# Altium PCB VOU_SOM_CV_V0.0.1.PcbDoc (part 3 of 5)
Units mm, origin at the board's own origin, x right, y up, seen from the top; angles counter-clockwise.
Board outline 75 x 105 mm, 9 copper layers (Top Layer, PWR1, INT1, INT2, INT3, INT4, INT5, PWR2, Bottom Layer), stack 1.317 mm thick; 497 components, 649 nets, 3023 pads, 1317 vias.
Unrouted connection lines stored in the file: 2057.
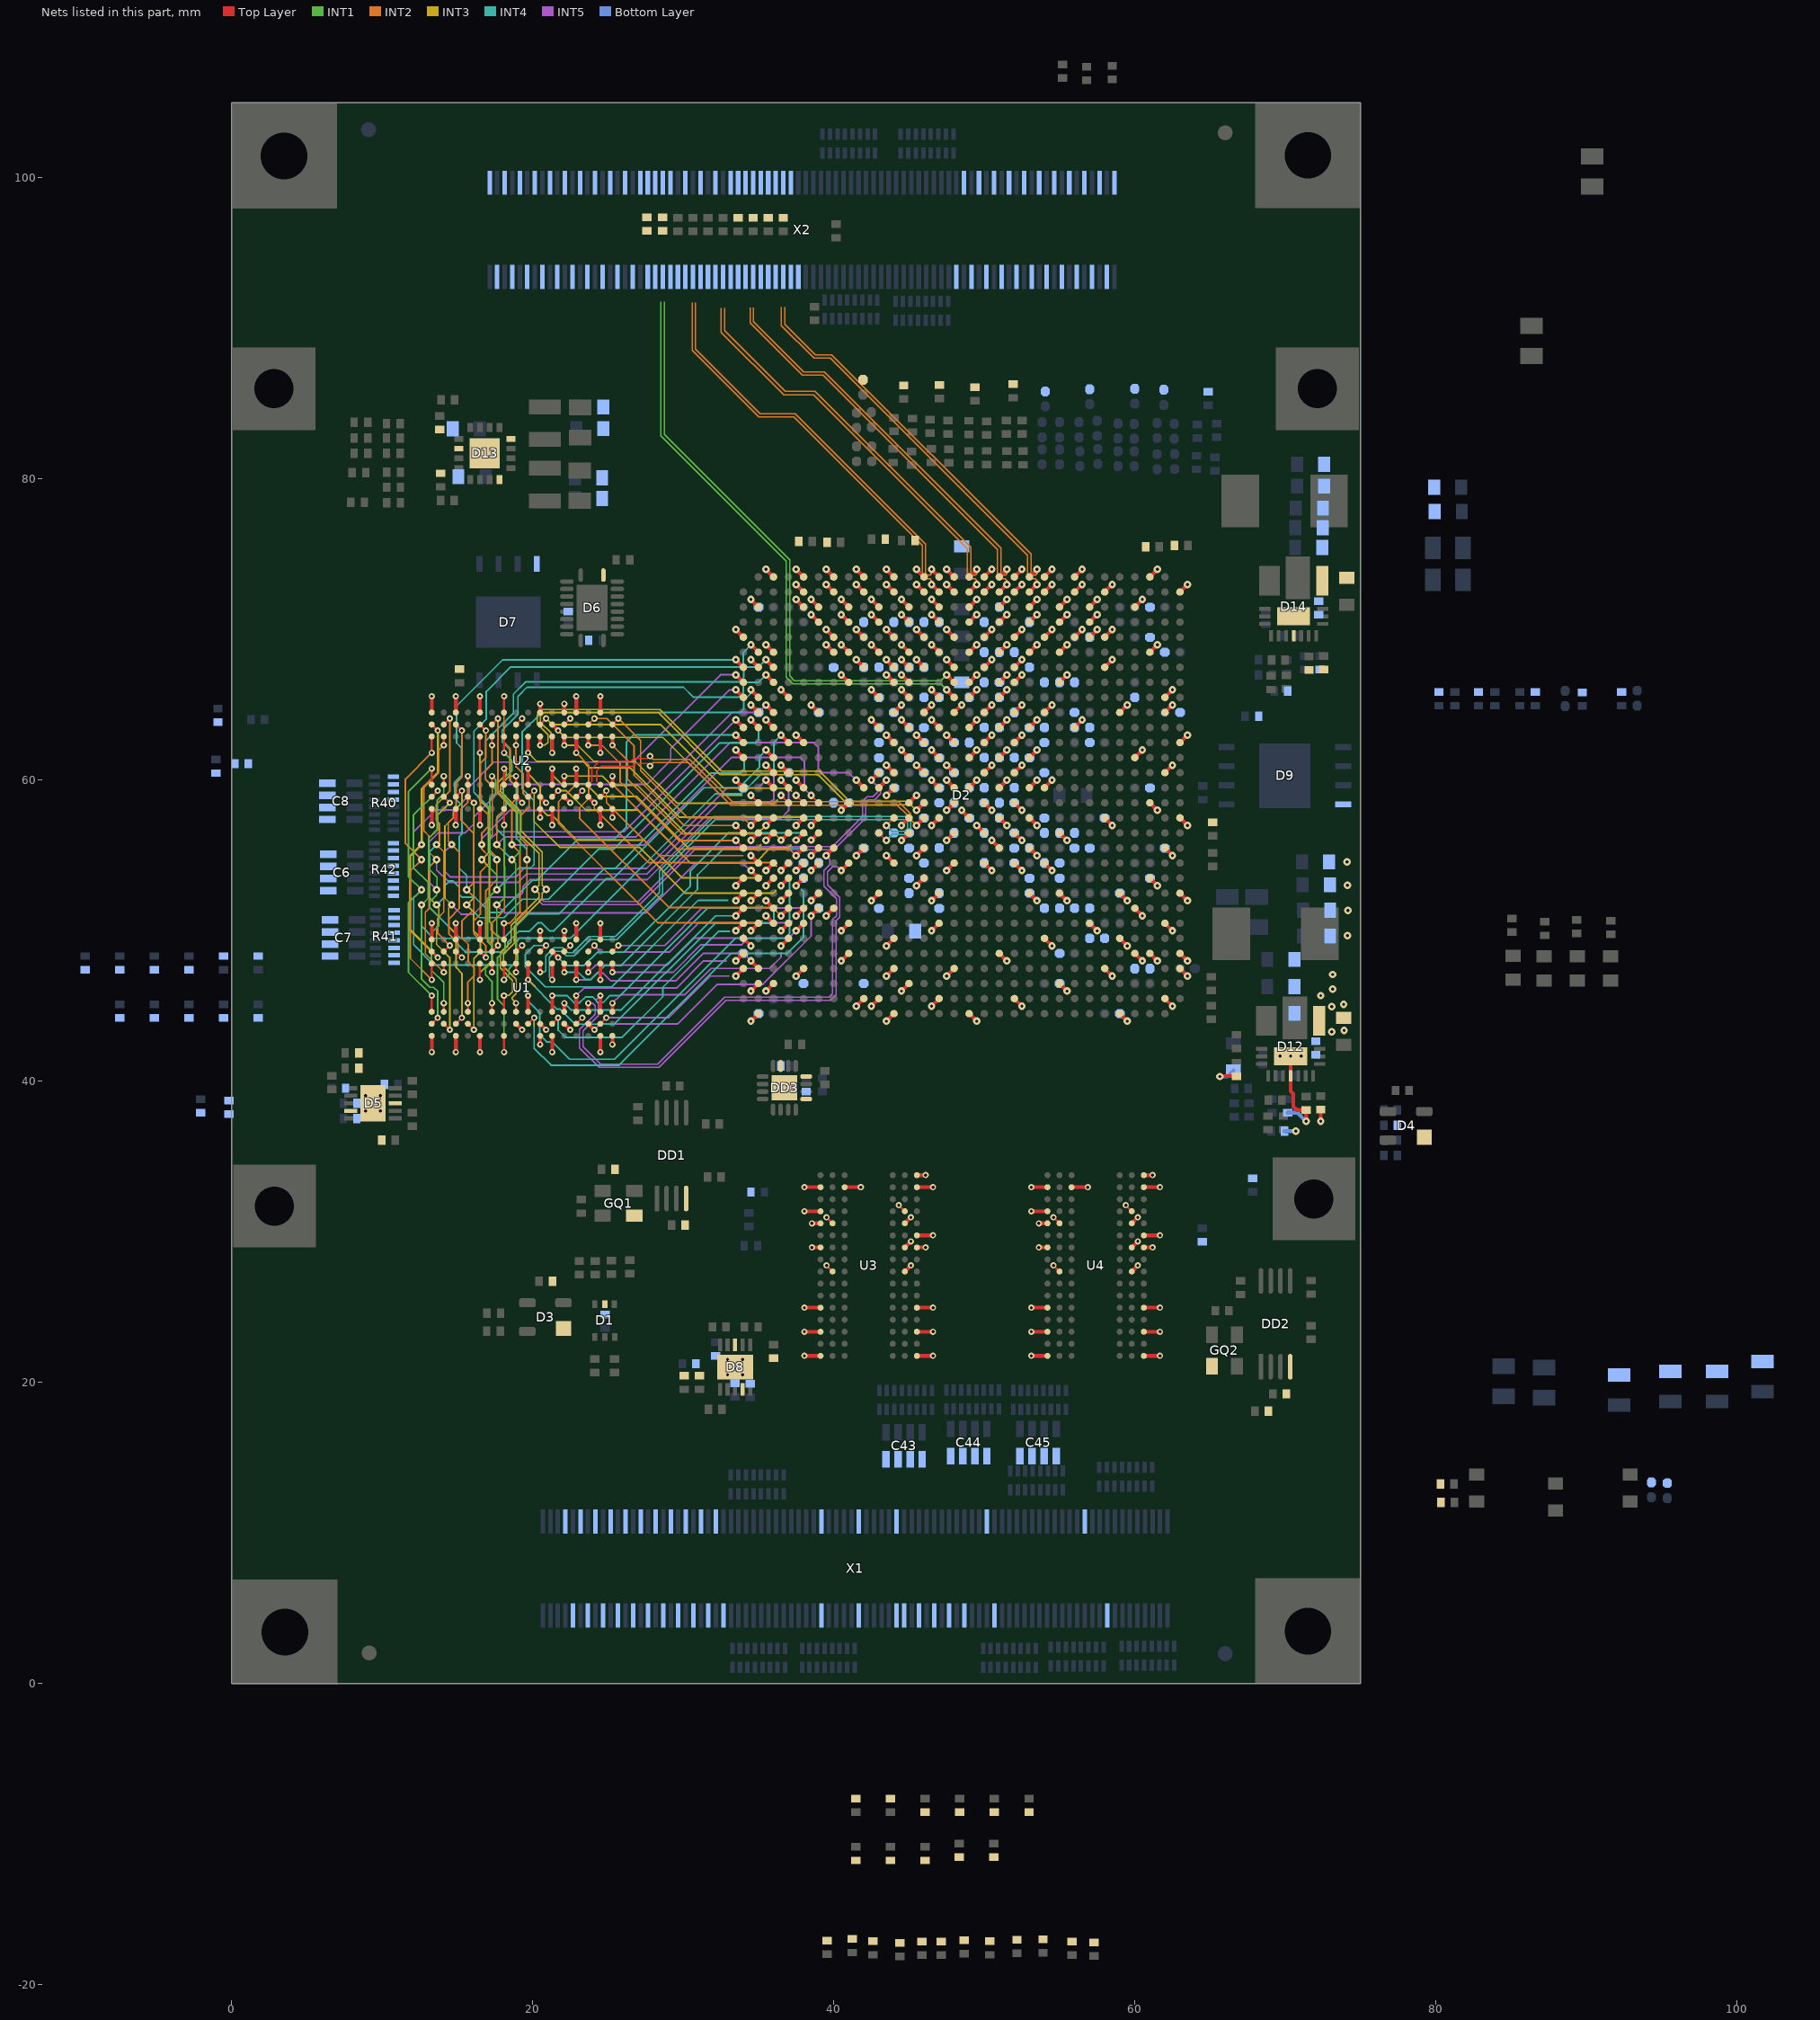
[diagram p8: the nets of this part, all layers, seen from the top]

## Via types
v1: diameter 0.5, hole 0.2, Top Layer to Bottom Layer, 953 vias
v2: diameter 0.42, hole 0.2, Top Layer to Bottom Layer, 364 vias

## Nets (pads, with @x,y where several pads share a name; then routed paths per layer and width w, separated by ;. In a path a pad name is that pad's centre, name@x,y a point inside that pad or via, vN(x,y) a via of type N, cw(c..) or ccw(c..) an arc to the next point about the centre after c; other vN are vias at no path point) (continued)
FPGA_DDR_A4: D2.AG15 R40.4 U1.P8 U2.P8 | length 45.9
  Top Layer w0.15: U1.P8@14.9,43.825 v2(15.3,44.225) ; U2.P8@14.9,58.9 v2(15.3,59.3)
  Top Layer w0.25: v1(36.5,60) D2.AG15@37,59.5
  INT3 w0.11: v2(15.3,44.225) 15.3,47.175 14.925,47.55 14.925,49.775 14.425,50.275 14.425,51.525 v1(14.625,51.725) 14.175,52.175 14.175,56.95 14.725,57.5 14.725,57.9 15.3,58.475 v2(15.3,59.3)
  INT5 w0.11: v1(14.625,51.725) 15.25,51.1 16.075,51.1 17.2,52.225 19.025,52.225 19.35,52.55 19.35,52.925 19.825,53.4 27.625,53.4 31.7,57.475 36.5,57.475 37,57.975 37,59.5 v1(36.5,60)
FPGA_DDR_A5: D2.AH15 R40.3 U1.P2 U2.P2 | length 44.4
  Top Layer w0.15: U1.P2@14.9,48.625 v2(15.3,48.225) ; U2.P2@14.9,63.7 v2(15.3,63.3)
  Top Layer w0.25: v1(35.5,60) D2.AH15@36,59.5
  INT2 w0.11: v2(15.3,48.225) 15.05,48.475 15.05,49.175 14.45,49.775 14.45,50.8 15.125,51.475 15.125,55.225 v1(14.625,55.725) 14.4,55.95 14.4,57.175 14.925,57.7 14.925,59.825 15.3,60.2 v2(15.3,63.3)
  INT5 w0.11: v1(14.625,55.725) 14.1,55.2 14.1,54.025 14.55,53.575 18.875,53.575 19.45,54.15 27.575,54.15 32.925,59.5 35,59.5 v1(35.5,60)
FPGA_DDR_A6: D2.AK12 R40.2 U1.R8 U2.R8 | length 48.5
  Top Layer w0.15: U1.R8@14.1,43.825 v2(14.5,43.425) ; U2.R8@14.1,58.9 v2(14.5,58.5)
  Top Layer w0.25: v1(33.5,63) D2.AK12@34,62.5
  INT3 w0.11: v2(14.5,43.425) 14.5,48.225 13.625,49.1 13.625,50.25 13.775,50.4 13.775,51.575 v1(13.625,51.725) 13.1,52.25 13.1,56.125 13.7,56.725 13.7,57.7 v2(14.5,58.5)
  INT4 w0.11: v1(13.625,51.725) 14.15,52.25 14.15,53 14.45,53.3 14.725,53.3 15.125,52.9 15.125,52.425 15.325,52.225 16.175,52.225 17.175,51.225 17.85,51.225 19.975,53.35 20.275,53.35 23,56.075 25.425,56.075 26.225,56.875 26.225,62.525 26.7,63 v1(33.5,63)
FPGA_DDR_A7: D2.AK13 R40.1 U1.R2 U2.R2 | length 50.4
  Top Layer w0.15: U1.R2@14.1,48.625 v2(14.5,49.025) ; U2.R2@14.1,63.7 v2(14.5,64.1)
  Top Layer w0.25: v1(33.5,62) D2.AK13@34,61.5
  INT2 w0.11: v2(14.5,49.025) 13.7,49.825 13.7,50.85 14.1,51.25 14.1,55.25 v1(13.625,55.725) 13.825,55.925 13.825,57.125 13.6,57.35 13.6,58.375 14.5,59.275 v2(14.5,64.1)
  INT4 w0.11: v1(13.625,55.725) 13.175,55.275 13.175,51.525 15.175,49.525 18.1,49.525 19.7,51.125 21.75,51.125 24.775,54.15 25.5,54.15 31.825,60.475 33.825,60.475 34.05,60.7 34.05,61.45 v1(33.5,62)
FPGA_DDR_A8: D2.AH13 R41.7 U1.T8 U2.T8 | length 50.3
  Top Layer w0.15: U1.T8@13.3,43.825 v2(13.7,44.225) ; U2.T8@13.3,58.9 v2(13.7,59.3)
  Top Layer w0.25: v1(35.5,62) D2.AH13@36,61.5
  INT1 w0.11: v2(13.7,44.225) 13.7,45.975 13.425,46.25 13.175,46.25 12.625,46.8 v1(12.625,51.725) 13.075,52.175 13.075,53.2 12.075,54.2 12.075,57.675 v2(13.7,59.3)
  INT4 w0.11: v1(12.625,51.725) 12.625,50.3 13.425,49.5 14.625,49.5 15.525,48.6 18,48.6 18.35,48.95 18.35,49.225 19.1,49.975 19.8,49.975 20.35,50.525 20.6,50.525 21.125,50 21.425,50 24.875,53.45 25.325,53.45 31.375,59.5 33.7,59.5 35.075,60.875 35.075,61.575 v1(35.5,62)
FPGA_DDR_A9: D2.AH14 R41.8 U1.R3 U2.R3 | length 46.8
  Top Layer w0.15: v2(14.1,47.25) U1.R3@14.1,47.825 ; v2(14.1,62.325) U2.R3@14.1,62.9
  Top Layer w0.25: v1(35.5,61) D2.AH14@36,60.5
  INT2 w0.11: v2(14.1,47.25) 12.875,48.475 12.875,51.225 13.125,51.475 13.125,54.225 v1(13.625,54.725) 13.1,55.25 13.1,56.325 12.775,56.65 12.775,59.6 13.775,60.6 13.775,62 v2(14.1,62.325)
  INT5 w0.11: v1(13.625,54.725) 13.625,54.05 14.45,53.225 19.05,53.225 19.6,53.775 27.6,53.775 32.325,58.5 35.775,58.5 36.025,58.75 36.025,60.475 v1(35.5,61)
FPGA_DDR_A10: D2.AJ9 R41.6 U1.L7 U2.L7 | length 47.3
  Top Layer w0.15: U1.L7@17.3,44.625 v2(17.3,45.2) ; U2.L7@17.3,59.7 v2(17.3,60.275)
  Top Layer w0.25: v1(34.5,66) D2.AJ9@35,65.5
  INT1 w0.11: v2(17.3,45.2) 17.3,46.65 16.875,47.075 16.875,47.5 17.275,47.9 17.275,49.025 17,49.3 17,52.125 17.6,52.725 v1(17.625,52.725) 17.625,53.725 17.15,54.2 17.15,58.75 17.55,59.15 17.55,60.025 v2(17.3,60.275)
  INT4 w0.11: v1(17.625,52.725) 19.075,54.175 19.875,54.175 20.1,54.4 20.1,58.65 19.3,59.45 19.3,63.2 20.6,64.5 33.8,64.5 34.025,64.725 34.025,65.3 34.5,65.775 v1(34.5,66)
FPGA_DDR_A11: D2.AK9 R41.5 U1.R7 U2.R7 | length 47.3
  Top Layer w0.15: U1.R7@14.1,44.625 v2(14.1,45.2) ; U2.R7@14.1,59.7 v2(14.1,60.275)
  Top Layer w0.25: v1(33.5,66) D2.AK9@34,65.5
  INT1 w0.11: v2(14.1,45.2) 14.1,46.575 13.275,47.4 13.275,49.85 13.775,50.35 13.775,50.925 13.175,51.525 13.175,51.925 13.625,52.375 v1(13.625,52.725) 13.65,52.725 13.65,53.575 13.1,54.125 13.1,56.175 13.675,56.75 13.675,58.7 14.1,59.125 v2(14.1,60.275)
  INT5 w0.11: v1(13.625,52.725) 13.125,53.225 13.125,55.9 13.725,56.5 15.5,56.5 16.1,57.1 16.1,57.575 18.25,59.725 27.575,59.725 29.175,61.325 29.175,62.1 33.075,66 v1(33.5,66)
FPGA_DDR_A12: D2.AK7 R41.4 U1.N7 U2.N7 | length 51.5
  Top Layer w0.15: U1.N7@15.7,44.625 v2(15.7,45.2) ; U2.N7@15.7,59.7 v2(15.7,60.275)
  Top Layer w0.25: v1(33.5,68) D2.AK7@34,67.5
  INT2 w0.11: v2(15.7,45.2) 15.7,46.6 16.125,47.025 16.125,47.525 15.725,47.925 15.725,49.1 15.3,49.525 15.3,50.625 16.1,51.425 16.1,52.25 v1(15.625,52.725) 16.075,53.175 16.075,55.55 16.075,56.5 15.25,57.325 15.25,58.1 15.7,58.55 v2(15.7,60.275)
  INT4 w0.11: v1(15.625,52.725) 15.625,53.675 15.125,54.175 15.125,56.25 15.3,56.425 15.3,58.35 14.825,58.825 14.825,59.85 15.275,60.3 15.275,62.15 14.95,62.475 14.95,64.925 18.025,68 v1(33.5,68)
FPGA_DDR_A13: D2.AK8 R41.3 U1.T3 U2.T3 | length 48.1
  Top Layer w0.15: v2(13.3,46.75) U1.T3@13.3,47.825 ; v2(13.3,61.825) U2.T3@13.3,62.9
  Top Layer w0.25: v1(33.5,67) D2.AK8@34,66.5
  INT2 w0.11: v2(13.3,46.75) 11.875,48.175 11.875,53.975 v1(12.625,54.725) 11.55,55.8 11.55,60.075 v2(13.3,61.825)
  INT5 w0.11: v1(12.625,54.725) 12.075,55.275 12.075,56.55 13.55,58.025 14.8,58.025 15.8,59.025 15.8,59.575 17.425,61.2 26.675,61.2 32.475,67 v1(33.5,67)
FPGA_DDR_A14: D2.AG12 R41.2 U1.T7 U2.T7 | length 57
  Top Layer w0.15: U1.T7@13.3,44.625 v2(13.3,45.7) ; U2.T7@13.3,59.7 v2(13.3,60.775)
  Top Layer w0.25: v1(36.5,63) D2.AG12@37,62.5
  INT1 w0.11: v2(13.3,45.7) 11.75,47.25 11.75,51.85 v1(12.625,52.725) 11.75,53.6 11.75,59.225 v2(13.3,60.775)
  INT4 w0.11: v1(12.625,52.725) 12.1,52.2 12.1,49.075 13.45,47.725 18.625,47.725 18.925,48.025 18.925,49.3 19.15,49.525 22.55,49.525 32.125,59.1 33.875,59.1 35.225,60.45 35.85,60.45 36.025,60.625 36.025,62.525 v1(36.5,63)
FPGA_DDR_BA0: D2.AH10 R41.1 U1.M2 U2.M2 | length 41.4
  Top Layer w0.15: U1.M2@16.5,48.625 v2(16.9,48.225) ; U2.M2@16.5,63.7 v2(16.9,63.3)
  Top Layer w0.25: v1(35.5,65) D2.AH10@36,64.5
  INT2 w0.11: v2(16.9,48.225) 16.9,49 16.1,49.8 16.1,50.675 16.525,51.1 16.525,53.9 17.1,54.475 17.1,54.95 16.625,55.425 16.625,56.5 17.05,56.925 17.05,57.7 16.525,58.225 16.525,61.125 16.9,61.5 v2(16.9,63.3)
  INT5 w0.11: v1(16.625,55.725) 16.625,56.125 18.5,58 26.725,58 33.225,64.5 35,64.5 v1(35.5,65)
FPGA_DDR_BA1: D2.AJ11 R42.8 U1.N8 U2.N8 | length 43.8
  Top Layer w0.15: U1.N8@15.7,43.825 v2(16.1,43.425) ; U2.N8@15.7,58.9 v2(16.1,58.5)
  Top Layer w0.25: v1(34.5,64) D2.AJ11@35,63.5
  INT3 w0.11: v2(16.1,43.425) 16.1,48.15 16.525,48.575 16.525,49.55 16.075,50 16.075,51.275 v1(15.625,51.725) 16.1,52.2 v2(16.1,58.5)
  INT4 w0.11: v1(15.625,51.725) 16.475,50.875 18.1,50.875 19.325,52.1 21.05,52.1 24.375,55.425 25.375,55.425 32.425,62.475 34.8,62.475 35,62.675 35,63.5 v1(34.5,64)
FPGA_DDR_BA2: D2.AK11 R42.7 U1.M3 U2.M3 | length 40.2
  Top Layer w0.15: v2(16.5,46.75) U1.M3@16.5,47.825 ; v2(16.5,61.825) U2.M3@16.5,62.9
  Top Layer w0.25: v1(33.5,64) D2.AK11@34,63.5
  INT3 w0.11: v2(16.5,46.75) 16.5,47.2 17.3,48 17.3,50.45 17.125,50.625 17.125,54.225 v1(16.625,54.725) 17.1,55.2 17.1,58.075 16.5,58.675 v2(16.5,61.825)
  INT5 w0.11: v1(16.625,54.725) 17.15,55.25 17.15,56.025 17.7,56.575 26.075,56.575 v1(33.5,64)
FPGA_DDR_CAS#: D2.AH7 R42.4 U1.K3 U2.K3 | length 50.6
  Top Layer w0.15: v2(18.1,46.75) U1.K3@18.1,47.825 ; v2(18.1,61.825) U2.K3@18.1,62.9
  Top Layer w0.25: v1(35.5,68) D2.AH7@36,67.5
  INT1 w0.11: v2(18.1,46.75) 18.425,47.075 18.425,47.475 19,48.05 19,48.45 18.875,48.575 18.875,54.475 v1(18.625,54.725) 19.175,55.275 19.175,57.775 18.05,58.9 18.05,60.075 18.625,60.65 18.625,61.3 v2(18.1,61.825)
  INT4 w0.11: v1(18.625,54.725) 18.15,55.2 18.15,56.225 17.6,56.775 17.6,57.375 18.225,58 18.225,58.725 16.875,60.075 16.875,62.6 18.725,64.45 18.725,65.725 19.525,66.525 33.725,66.525 34.025,66.825 34.025,67.3 34.25,67.525 35.025,67.525 v1(35.5,68)
FPGA_DDR_CK_H_N: D2.AA15 R53.1 U1.K7 U2.K7 | length 49.8
  Top Layer w0.15: U1.K7@18.1,44.625 v2(18.1,45.7) ; U2.K7@18.1,59.7 v2(18.1,60.775)
  Top Layer w0.25: D2.AA15@43,59.5 v1(43.5,60)
  INT3 w0.08: v2(18.1,45.7) 18.425,45.7 18.675,45.95 18.675,46.7 17.855,47.52 17.855,48.541 18.575,49.261 18.575,50.375 20.415,52.215 20.415,52.485 v1(20.15,52.75) 20.415,53.015 20.415,55.135 19,56.55 19,57.814 17.648,59.166 17.648,59.798 18.25,60.4 18.25,60.625 v2(18.1,60.775)
  INT5 w0.08: v1(20.15,52.75) 20.415,52.485 20.415,51.985 20.67,51.73 27.116,51.73 30.761,55.375 40.011,55.375 42.125,57.489 42.125,58.53 42.295,58.7 42.711,58.7 43.12,59.109 43.12,59.62 v1(43.5,60)
FPGA_DDR_CK_H_P: D2.AA14 R53.2 U1.J7 U2.J7 | length 48.3
  Top Layer w0.15: U1.J7@18.9,44.625 v2(18.9,45.2) ; U2.J7@18.9,59.7 v2(18.9,60.275)
  Top Layer w0.25: v1(42.5,60) D2.AA14@43,60.5
  INT3 w0.08: v2(18.9,45.2) 18.625,45.475 18.625,45.55 18.9,45.825 18.9,46.786 18.075,47.611 18.075,48.45 18.795,49.17 18.795,50.284 20.635,52.124 20.635,52.485 v1(20.9,52.75) 20.635,53.015 20.635,55.226 19.22,56.641 19.22,57.905 17.868,59.257 17.868,59.693 18.45,60.275 v2(18.9,60.275)
  INT5 w0.08: v1(20.9,52.75) 20.635,52.485 20.635,52.076 20.761,51.95 27.025,51.95 30.67,55.595 39.92,55.595 41.905,57.58 41.905,58.621 42.204,58.92 42.62,58.92 42.9,59.2 42.9,59.6 v1(42.5,60)
FPGA_DDR_CKE: D2.AJ21 R42.6 R190.2 U1.K9 U2.K9 | length 37.5
  Top Layer w0.15: v2(18.1,41.95) U1.K9@18.1,43.025 ; v2(18.1,57.025) U2.K9@18.1,58.1
  Top Layer w0.25: v1(34.525,54) 34.525,53.975 D2.AJ21@35,53.5
  INT1 w0.11: v2(18.1,41.95) 18.1,45.025 17.675,45.45 17.675,48.225 18.175,48.725 18.175,49.225 17.625,49.775 v1(17.625,51.725) 17.65,51.725 18.15,52.225 18.15,54.25 18.1,54.3 v2(18.1,57.025)
  INT5 w0.11: v1(17.625,51.725) 18.15,51.2 27.525,51.2 30.825,54.5 33.95,54.5 34.45,54 v1(34.525,54)
FPGA_DDR_CS#: D2.AB15 R42.2 U1.L2 U2.L2 | length 46.6
  Top Layer w0.15: U1.L2@17.3,48.625 v2(17.7,49.025) ; U2.L2@17.3,63.7 v2(17.7,64.1)
  Top Layer w0.25: v1(41.5,60) D2.AB15@42,59.5
  INT2 w0.11: v2(17.7,49.025) 17.7,49.6 17.25,50.05 17.25,50.5 18.125,51.375 18.125,55.225 v1(17.625,55.725) 17.625,57.55 18.1,58.025 18.1,58.775 17.7,59.175 v2(17.7,64.1)
  INT5 w0.11: v1(17.625,55.725) 18.125,56.225 26.85,56.225 33.125,62.5 38.675,62.5 38.975,62.2 38.975,60.775 39.25,60.5 41,60.5 v1(41.5,60)
FPGA_DDR_D0: D2.AG16 U2.E3 | length 17.1
  Top Layer w0.12: v1(36.5,59) D2.AG16@37,58.5
  Top Layer w0.25: v2(22.1,62.325) U2.E3@22.1,62.9
  INT3 w0.11: v2(22.1,62.325) 23,62.325 24.075,61.25 26.825,61.25 29.6,58.475 36.05,58.475 36.275,58.7
FPGA_DDR_D1: D2.AH18 U2.F7 | length 18.2
  Top Layer w0.25: U2.F7@21.3,59.7 v2(21.3,60.775) ; v1(35.5,56) D2.AH18@36,56.5
  INT3 w0.11: v2(21.3,60.775) 21.3,60.375 21.9,59.775 23.525,59.775 24.375,58.925 26.9,58.925 30.325,55.5 34.95,55.5 35.175,55.725
FPGA_DDR_D2: D2.AJ16 U2.F2 | length 15.3
  Top Layer w0.12: v1(34.5,59) D2.AJ16@35,58.5
  Top Layer w0.25: U2.F2@21.3,63.7 v2(21.7,63.3)
  INT3 w0.11: v2(21.7,63.3) 22.15,62.85 28.65,62.85 32.5,59 33.9,59
FPGA_DDR_D3: D2.AF18 U2.F8 | length 19.2
  Top Layer w0.15: U2.F8@21.3,58.9 v2(21.7,59.3)
  Top Layer w0.25: v1(37.501,56.027) 37.527,56.027 D2.AF18@38,56.5
  INT3 w0.11: v2(21.7,59.3) 22.25,59.3 23.525,58.025 26.975,58.025 30.5,54.5 34.775,54.5 35.8,55.525 37,55.525 37.175,55.7
FPGA_DDR_D4: D2.AE17 U2.H3 | length 22.1
  Top Layer w0.25: v2(19.7,61.825) U2.H3@19.7,62.9 ; v1(38.5,57) D2.AE17@39,57.5
  INT3 w0.11: v2(19.7,61.825) 20.275,61.25 23.35,61.25 23.775,60.825 26.475,60.825 29.75,57.55 38,57.55 38.2,57.35
FPGA_DDR_D5: D2.AG21 U2.H8 | length 21.4
  Top Layer w0.15: U2.H8@19.7,58.9 v2(20.1,59.3)
  Top Layer w0.25: v1(36.5,53) D2.AG21@37,53.5
  INT3 w0.11: v2(20.1,59.3) 20.1,57.25 21.8,55.55 27.075,55.55 30.125,52.5 35.975,52.5 36.15,52.675
FPGA_DDR_D6: D2.AF16 U2.G2 | length 19.6
  Top Layer w0.12: v1(37.5,59) D2.AF16@38,58.5
  Top Layer w0.15: U2.G2@20.5,63.7 v2(20.9,64.1)
  INT3 w0.11: v2(20.9,64.1) 21.3,63.7 28.475,63.7 32.7,59.475 37,59.475 37.2,59.275
FPGA_DDR_D7: D2.AH20 U2.H7 | length 21.4
  Top Layer w0.25: U2.H7@19.7,59.7 v2(19.7,60.775) ; v1(35.5,54) D2.AH20@36,54.5
  INT3 w0.11: v2(19.7,60.775) 19.7,60.425 20.5,59.625 20.5,58.15 20.975,57.675 21.3,57.675 22.95,56.025 27.425,56.025 29.925,53.525 35.1,53.525 35.225,53.65
FPGA_DDR_D8: D2.AH24 U2.D7 | length 22.2
  Top Layer w0.25: U2.D7@22.9,59.7 v2(22.9,60.775) ; v1(35.5,51) D2.AH24@36,50.5
  INT2 w0.11: v2(22.9,60.775) 22.9,59.75 21.725,58.575 21.725,57.125 28.325,50.525 35.125,50.525 35.25,50.65
FPGA_DDR_D9: D2.AK19 U2.C3 | length 14.4
  Top Layer w0.12: v1(33.5,56) D2.AK19@34,55.5
  Top Layer w0.25: v2(23.7,62.325) U2.C3@23.7,62.9
  INT2 w0.11: v2(23.7,62.325) 24.6,62.325 25.825,61.1 25.825,59.875 29.7,56 v1(33.5,56)
FPGA_DDR_D10: D2.AG20 U2.C8 | length 15.3
  Top Layer w0.25: U2.C8@23.7,58.9 v2(24.1,58.5) ; v1(36.5,54) D2.AG20@37,54.5
  INT2 w0.11: v2(24.1,58.5) 24.1,58.125 27.7,54.525 35.975,54.525 36.2,54.3
FPGA_DDR_D11: D2.AK18 U2.C2 | length 14.8
  Top Layer w0.12: v1(33.5,57) D2.AK18@34,56.5
  Top Layer w0.15: U2.C2@23.7,63.7 v2(24.1,64.1)
  INT2 w0.11: v2(24.1,64.1) 24.925,64.1 26.75,62.275 26.75,60.325 30.075,57 v1(33.5,57)
FPGA_DDR_D12: D2.AF19 U2.A7 | length 16
  Top Layer w0.25: U2.A7@25.3,59.7 v2(25.3,60.275) ; v1(37.5,55) D2.AF19@38,55.5
  INT2 w0.11: v2(25.3,60.275) 25.3,59.75 29.625,55.425 37.075,55.425 v1(37.5,55)
FPGA_DDR_D13: D2.AJ17 U2.A2 | length 14.2
  Top Layer w0.15: U2.A2@25.3,63.7 v2(25.7,64.1)
  Top Layer w0.25: v1(34.5,57) D2.AJ17@35,57.5
  INT2 w0.11: v2(25.7,64.1) 27.175,62.625 27.175,60.625 30.275,57.525 33.975,57.525 v1(34.5,57)
FPGA_DDR_D14: D2.AJ20 U2.B8 | length 12.6
  Top Layer w0.15: U2.B8@24.5,58.9 v2(24.9,59.3)
  Top Layer w0.25: v1(34.5,55) D2.AJ20@35,54.5
  INT2 w0.11: v2(24.9,59.3) 24.9,58.525 28.425,55 33.975,55
FPGA_DDR_D15: D2.AG18 U2.A3 | length 15.8
  Top Layer w0.25: v2(25.3,62.325) U2.A3@25.3,62.9 ; v1(36.501,56.027) 36.527,56.027 D2.AG18@37,56.5
  INT2 w0.11: v2(25.3,62.325) 26.3,61.325 26.3,60.075 29.95,56.425 36.103,56.425 v1(36.501,56.027)
FPGA_DDR_D16: D2.AE19 U1.E3 | length 21.9
  Top Layer w0.25: v2(22.1,47.25) U1.E3@22.1,47.825 ; v1(38.5,55) D2.AE19@39,55.5
  INT4 w0.11: v2(22.1,47.25) 23.025,47.25 23.5,46.775 23.9,46.775 24.825,47.7 25.9,47.7 30.95,52.75 30.95,53.725 32.725,55.5 38.05,55.5 38.225,55.325
FPGA_DDR_D17: D2.AH23 U1.F7 | length 18.9
  Top Layer w0.25: U1.F7@21.3,44.625 v2(21.3,45.7) ; v1(35.5,52) D2.AH23@36,51.5
  INT4 w0.11: v2(21.3,45.7) 22.275,45.7 22.75,45.225 23.125,45.225 23.5,45.6 24,45.6 24.35,45.25 24.7,45.25 25.15,45.7 25.825,45.7 31.65,51.525 35.125,51.525 35.25,51.65
FPGA_DDR_D18: D2.AE18 U1.F2 | length 22.3
  Top Layer w0.25: U1.F2@21.3,48.625 v2(21.7,48.225) ; v1(38.501,56.027) 38.527,56.027 D2.AE18@39,56.5
  INT4 w0.11: v2(21.7,48.225) 22.225,47.7 23.425,47.7 24.3,48.575 26.075,48.575 30.475,52.975 30.475,53.975 33,56.5 38.075,56.5 38.225,56.35
FPGA_DDR_D19: D2.AK24 U1.F8 | length 17
  Top Layer w0.15: U1.F8@21.3,43.825 v2(21.7,44.225)
  Top Layer w0.25: v1(33.5,50) D2.AK24@34,50.5
  INT4 w0.11: v2(21.7,44.225) 21.7,43.4 22.175,42.925 25.95,42.925 28.65,45.625 28.65,46.25 32.375,49.975 33.075,49.975
FPGA_DDR_D20: D2.AG22 U1.H3 | length 23.9
  Top Layer w0.25: v2(19.7,46.75) U1.H3@19.7,47.825 ; v1(36.5,52) D2.AG22@37,52.5
  INT3 w0.11: v2(19.7,46.75) 20.175,46.275
  INT4 w0.11: v2(19.7,46.75) 19.7,46.725 21.625,44.8 21.825,44.8 22.825,43.8 25.425,43.8 32.125,50.5 35.825,50.5 36.025,50.7 36.025,51.475 36.225,51.675
FPGA_DDR_D21: D2.AF21 U1.H8 | length 29
  Top Layer w0.15: U1.H8@19.7,43.825 v2(20.1,44.225)
  Top Layer w0.25: v1(37.5,53) D2.AF21@38,53.5
  INT3 w0.11: 20.1,43.625 v2(20.1,44.225)
  INT4 w0.11: v2(20.1,44.225) 20.1,42.2 21.225,41.075 25.75,41.075 33.175,48.5 36.9,48.5 38,49.6 38,52.6 37.85,52.75
FPGA_DDR_D22: D2.AK22 U1.G2 | length 20.1
  Top Layer w0.15: U1.G2@20.5,48.625 v2(20.9,49.025)
  Top Layer w0.25: v1(33.5,52) D2.AK22@34,52.5
  INT4 w0.11: v2(20.9,49.025) 20.1,49.025 19.525,48.45 19.525,47.6 20.85,46.275 25.25,46.275 31,52.025 32.95,52.025
FPGA_DDR_D23: D2.AF20 U1.H7 | length 29.7
  Top Layer w0.25: U1.H7@19.7,44.625 v2(19.7,45.7) ; v1(37.5,54) D2.AF20@38,54.5
  INT3 w0.11: 19.7,45.35 v2(19.7,45.7)
  INT4 w0.11: v2(19.7,45.7) 19.7,45.325 20.475,44.55 20.475,43.075 20.925,42.625 21.3,42.625 22.45,41.475 25.45,41.475 33.475,49.5 36.75,49.5 37.075,49.825 37.075,53.55 37.2,53.675
FPGA_DDR_D24: D2.AK26 U1.D7 | length 12.7
  Top Layer w0.25: U1.D7@22.9,44.625 v2(22.9,45.7) ; v1(33.5,48) D2.AK26@34,48.5
  INT5 w0.11: v2(22.9,45.7) 23.4,46.2 29.55,46.2 31.35,48 32.875,48
FPGA_DDR_D25: D2.AJ24 U1.C3 | length 12.7
  Top Layer w0.25: v2(23.7,47.25) U1.C3@23.7,47.825 ; v1(34.5,50) D2.AJ24@35,50.5